# KiCad board Lime_RFE.kicad_pcb (continued)
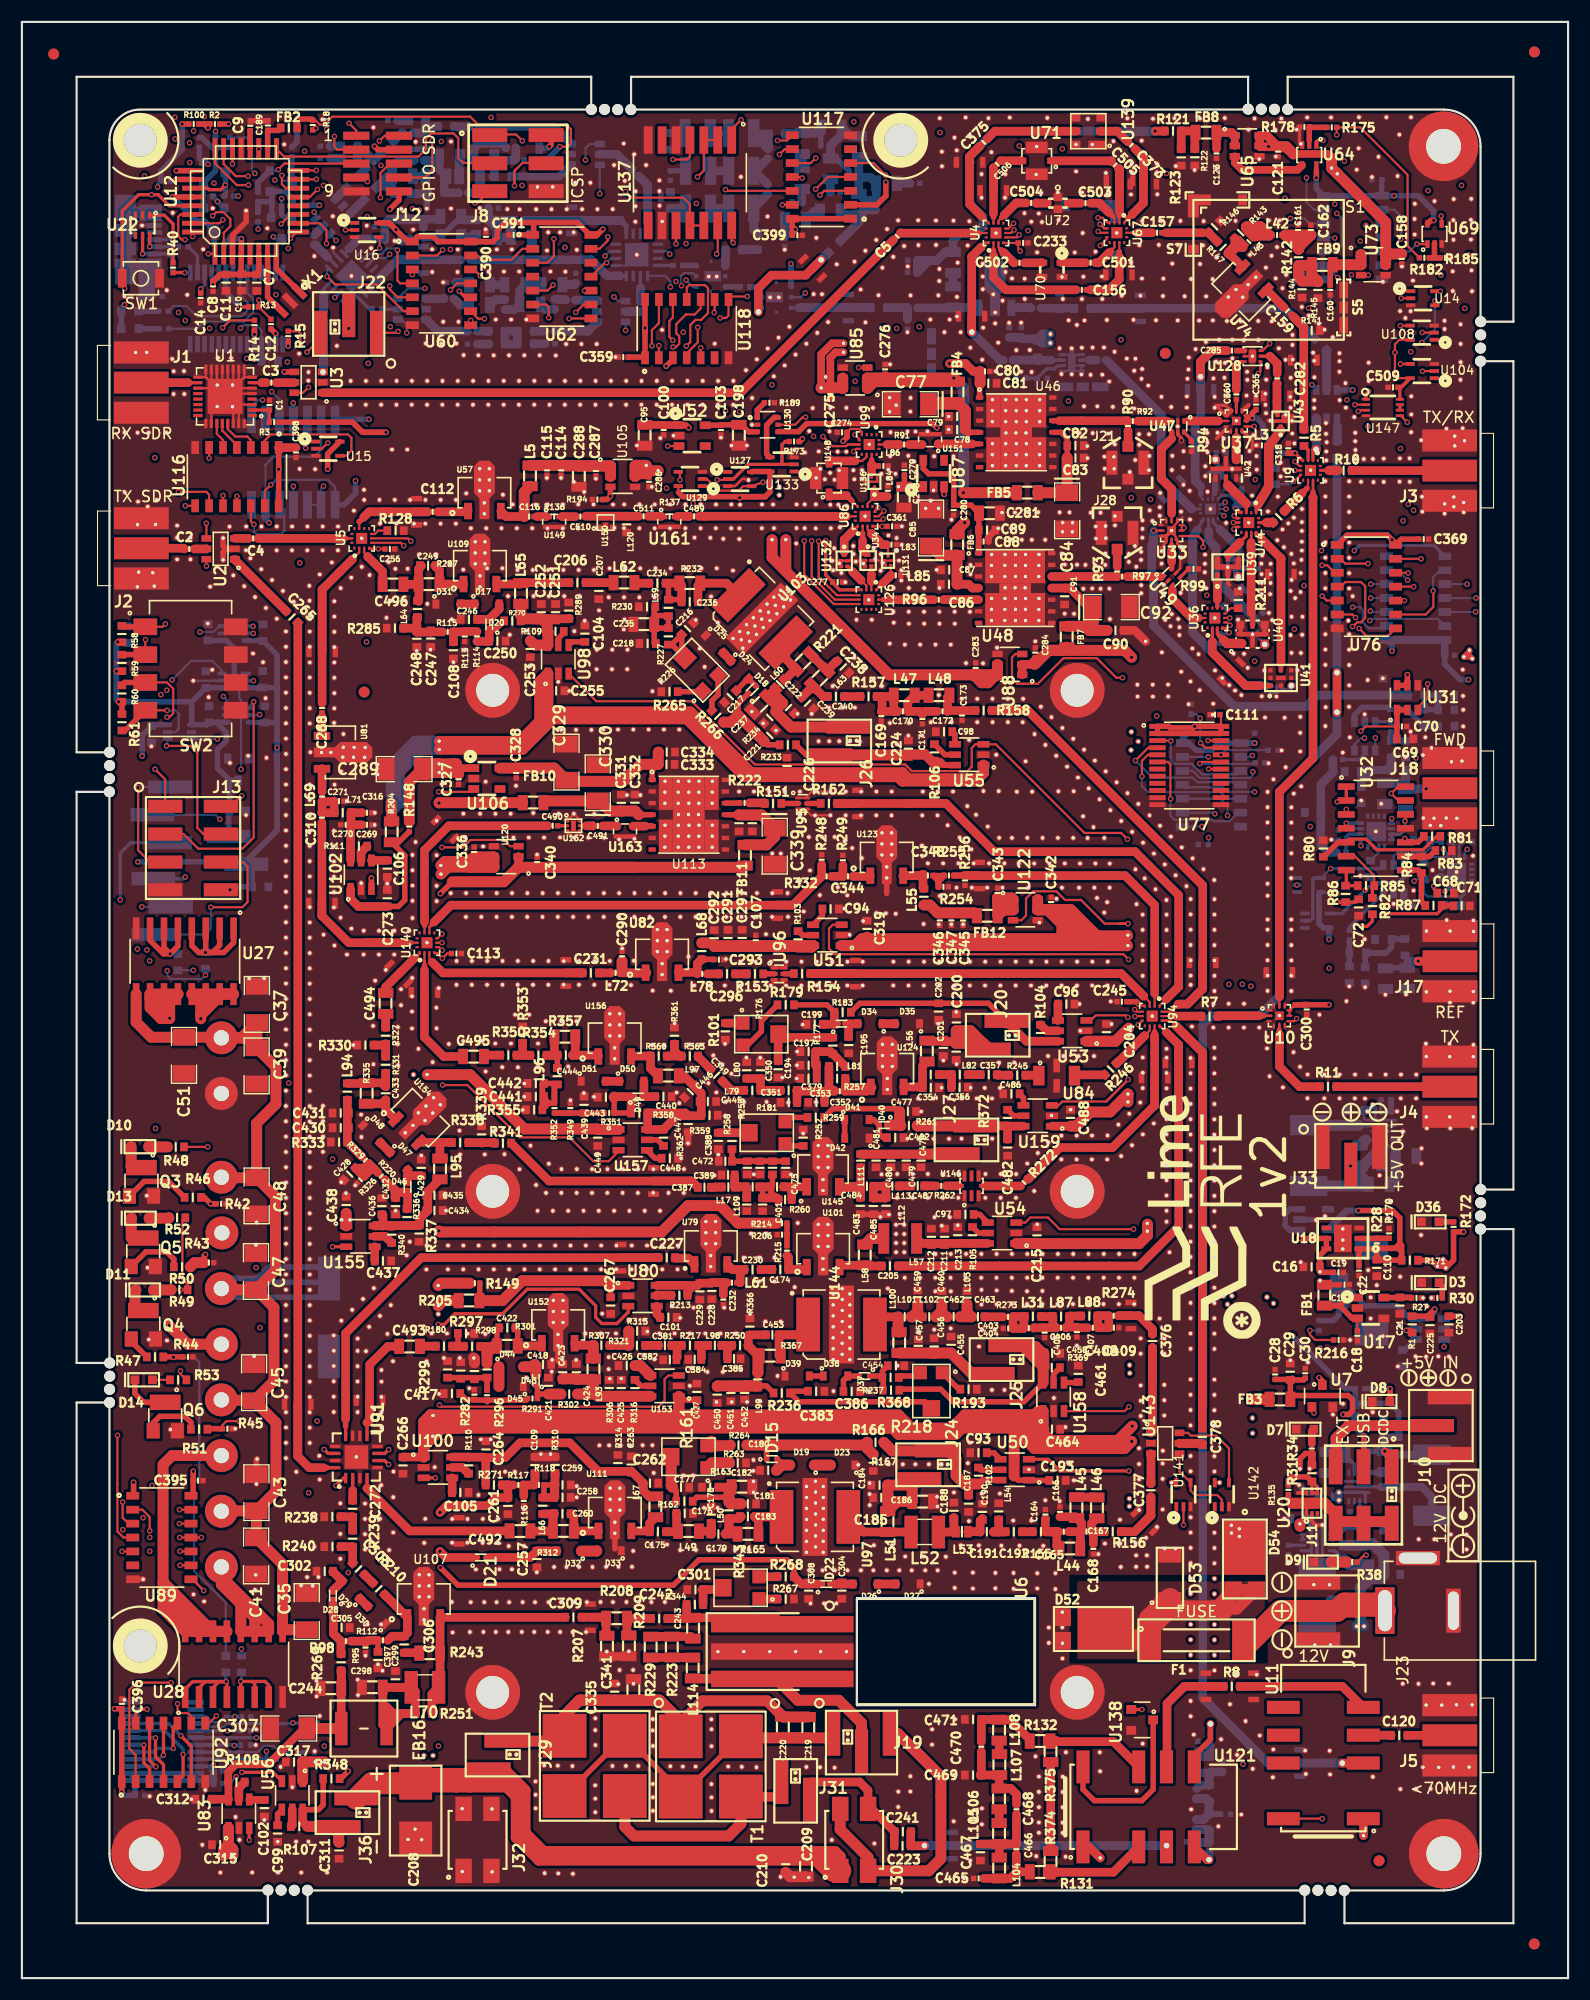
[diagram p0: board, top side]
## Placement (name value [footprint] x y rotation side) (continued)
GND_VIA#2634  VAL**  [GND_VIA]  91.25 131.25 0 top
GND_VIA#2635  VAL**  [GND_VIA]  92.16 131.25 0 top
GND_VIA#2636  VAL**  [GND_VIA]  93.38 131.25 0 top
GND_VIA#2637  VAL**  [GND_VIA]  90.28 131.25 0 top
GND_VIA#2638  VAL**  [GND_VIA]  87.71 119.98 0 top
GND_VIA#2639  VAL**  [GND_VIA]  110.46 149.5 0 top
GND_VIA#2640  VAL**  [GND_VIA]  108.05 149.32 0 top
GND_VIA#2641  VAL**  [GND_VIA]  112.83 149.49 0 top
GND_VIA#2642  VAL**  [GND_VIA]  112.81 151.22 180 top
GND_VIA#2643  VAL**  [GND_VIA]  111.23 151.2 180 top
GND_VIA#2644  VAL**  [GND_VIA]  108.68 151.27 180 top
GND_VIA#2645  VAL**  [GND_VIA]  109.97 151.22 180 top
GND_VIA#2646  VAL**  [GND_VIA]  115.95 149.95 180 top
GND_VIA#2647  VAL**  [GND_VIA]  118.35 150.96 180 top
GND_VIA#2648  VAL**  [GND_VIA]  118.87 150.43 180 top
GND_VIA#2649  VAL**  [GND_VIA]  119.62 149.74 180 top
GND_VIA#2650  VAL**  [GND_VIA]  120.24 148.28 180 top
GND_VIA#2651  VAL**  [GND_VIA]  120.24 147.55 180 top
GND_VIA#2652  VAL**  [GND_VIA]  120.23 146.59 180 top
GND_VIA#2653  VAL**  [GND_VIA]  120.78 145.55 180 top
GND_VIA#2654  VAL**  [GND_VIA]  120.25 144 180 top
GND_VIA#2655  VAL**  [GND_VIA]  117.92 143.27 180 top
GND_VIA#2656  VAL**  [GND_VIA]  117.93 143.99 180 top
GND_VIA#2657  VAL**  [GND_VIA]  119 140.92 180 top
GND_VIA#2658  VAL**  [GND_VIA]  117.83 148.32 180 top
GND_VIA#2659  VAL**  [GND_VIA]  108.73 145.98 0 top
GND_VIA#2660  VAL**  [GND_VIA]  110.46 147.81 0 top
GND_VIA#2661  VAL**  [GND_VIA]  108.99 147.49 0 top
GND_VIA#2662  VAL**  [GND_VIA]  109.78 147.4 0 top
GND_VIA#2663  VAL**  [GND_VIA]  106.49 147.89 0 top
GND_VIA#2664  VAL**  [GND_VIA]  106.45 146.8 0 top
GND_VIA#2665  VAL**  [GND_VIA]  115.31 147.68 180 top
GND_VIA#2666  VAL**  [GND_VIA]  111.81 146.58 0 top
GND_VIA#2667  VAL**  [GND_VIA]  109.97 144.36 0 top
GND_VIA#2668  VAL**  [GND_VIA]  109.67 140.5 0 top
GND_VIA#2669  VAL**  [GND_VIA]  104.01 130.22 90 top
GND_VIA#2670  VAL**  [GND_VIA]  102.22 146.84 0 top
GND_VIA#2671  VAL**  [GND_VIA]  101.5 146.68 0 top
GND_VIA#2672  VAL**  [GND_VIA]  100.83 147.79 0 top
GND_VIA#2673  VAL**  [GND_VIA]  101.62 147.78 0 top
GND_VIA#2674  VAL**  [GND_VIA]  99.23 145.69 0 top
GND_VIA#2675  VAL**  [GND_VIA]  99.74 139.96 0 top
GND_VIA#2676  VAL**  [GND_VIA]  101.6 138.54 0 top
GND_VIA#2677  VAL**  [GND_VIA]  101.1 137.44 0 top
GND_VIA#2678  VAL**  [GND_VIA]  101.94 140.89 0 top
GND_VIA#2679  VAL**  [GND_VIA]  101.96 139.92 0 top
GND_VIA#2680  VAL**  [GND_VIA]  72.48 136.9 180 top
GND_VIA#2681  VAL**  [GND_VIA]  73.28 136.78 180 top
GND_VIA#2682  VAL**  [GND_VIA]  71.36 136.82 180 top
GND_VIA#2683  VAL**  [GND_VIA]  71.42 137.61 180 top
GND_VIA#2684  VAL**  [GND_VIA]  71.45 139.21 180 top
GND_VIA#2685  VAL**  [GND_VIA]  74.57 137.58 180 top
GND_VIA#2686  VAL**  [GND_VIA]  75.88 137.6 180 top
GND_VIA#2687  VAL**  [GND_VIA]  116.8 132.06 180 top
GND_VIA#2688  VAL**  [GND_VIA]  109.89 132.79 180 top
GND_VIA#2689  VAL**  [GND_VIA]  86.55 148.78 180 top
GND_VIA#2690  VAL**  [GND_VIA]  96.27 150.86 180 top
GND_VIA#2691  VAL**  [GND_VIA]  85.67 150.2 180 top
GND_VIA#2692  VAL**  [GND_VIA]  84.18 150.2 180 top
GND_VIA#2693  VAL**  [GND_VIA]  81.1 144.2 0 top
GND_VIA#2694  VAL**  [GND_VIA]  81.08 142.95 0 top
GND_VIA#2695  VAL**  [GND_VIA]  79.27 141.07 0 top
GND_VIA#2696  VAL**  [GND_VIA]  79.24 138.89 180 top
GND_VIA#2697  VAL**  [GND_VIA]  83.24 138.87 180 top
GND_VIA#2698  VAL**  [GND_VIA]  74.44 139.29 180 top
GND_VIA#2699  VAL**  [GND_VIA]  75.24 139.29 180 top
GND_VIA#2700  VAL**  [GND_VIA]  72.72 139.31 180 top
GND_VIA#2701  VAL**  [GND_VIA]  53.94 134.47 90 top
GND_VIA#2702  VAL**  [GND_VIA]  43.9 135.37 90 top
GND_VIA#2703  VAL**  [GND_VIA]  40.54 135.49 90 top
GND_VIA#2704  VAL**  [GND_VIA]  18.95 132.45 90 top
GND_VIA#2705  VAL**  [GND_VIA]  12.2 132.65 90 top
GND_VIA#2706  VAL**  [GND_VIA]  10.55 132.63 90 top
GND_VIA#2707  VAL**  [GND_VIA]  11.94 128.25 90 top
GND_VIA#2708  VAL**  [GND_VIA]  10.65 128.31 90 top
GND_VIA#2709  VAL**  [GND_VIA]  17.18 126.97 90 top
GND_VIA#2710  VAL**  [GND_VIA]  89.09 149.24 180 top
GND_VIA#2711  VAL**  [GND_VIA]  90.75 148.56 180 top
GND_VIA#2712  VAL**  [GND_VIA]  91.98 148.57 180 top
GND_VIA#2713  VAL**  [GND_VIA]  94.86 146.38 0 top
GND_VIA#2714  VAL**  [GND_VIA]  96.69 146.34 0 top
GND_VIA#2715  VAL**  [GND_VIA]  95.8 146.36 0 top
GND_VIA#2716  VAL**  [GND_VIA]  91.18 146.59 0 top
GND_VIA#2717  VAL**  [GND_VIA]  92.14 146.56 0 top
GND_VIA#2718  VAL**  [GND_VIA]  94.69 148.73 0 top
GND_VIA#2719  VAL**  [GND_VIA]  88.87 146.63 0 top
GND_VIA#2720  VAL**  [GND_VIA]  87.63 147.68 180 top
GND_VIA#2721  VAL**  [GND_VIA]  87.72 150.61 180 top
GND_VIA#2722  VAL**  [GND_VIA]  85.33 151.64 180 top
GND_VIA#2723  VAL**  [GND_VIA]  88.81 151 0 top
GND_VIA#2724  VAL**  [GND_VIA]  79.79 143.53 0 top
GND_VIA#2725  VAL**  [GND_VIA]  75.23 143.29 180 top
GND_VIA#2726  VAL**  [GND_VIA]  108.2 135.64 0 top
GND_VIA#2727  VAL**  [GND_VIA]  107.99 137.06 0 top
GND_VIA#2728  VAL**  [GND_VIA]  108.19 139.24 0 top
GND_VIA#2729  VAL**  [GND_VIA]  108.17 141.01 0 top
GND_VIA#2730  VAL**  [GND_VIA]  107.99 137.96 0 top
GND_VIA#2731  VAL**  [GND_VIA]  112.37 140.78 180 top
GND_VIA#2732  VAL**  [GND_VIA]  112.63 139.88 180 top
GND_VIA#2733  VAL**  [GND_VIA]  110.98 123.96 180 top
GND_VIA#2734  VAL**  [GND_VIA]  102.79 145.32 0 top
GND_VIA#2735  VAL**  [GND_VIA]  98.8 137.74 0 top
GND_VIA#2736  VAL**  [GND_VIA]  98.78 138.84 0 top
GND_VIA#2737  VAL**  [GND_VIA]  46.66 106.32 90 top
GND_VIA#2738  VAL**  [GND_VIA]  52.23 106.23 90 top
GND_VIA#2739  VAL**  [GND_VIA]  74.17 104.13 90 top
GND_VIA#2740  VAL**  [GND_VIA]  75.06 103.74 90 top
GND_VIA#2741  VAL**  [GND_VIA]  77.97 97.18 90 top
GND_VIA#2742  VAL**  [GND_VIA]  78.84 97.17 90 top
GND_VIA#2743  VAL**  [GND_VIA]  79.74 97.12 90 top
GND_VIA#2744  VAL**  [GND_VIA]  75.32 98.81 90 top
GND_VIA#2745  VAL**  [GND_VIA]  76.65 102.2 90 top
GND_VIA#2746  VAL**  [GND_VIA]  82.13 103.35 90 top
GND_VIA#2747  VAL**  [GND_VIA]  82.18 102.39 90 top
GND_VIA#2748  VAL**  [GND_VIA]  71.81 104.12 90 top
GND_VIA#2749  VAL**  [GND_VIA]  60.83 93.21 90 top
GND_VIA#2750  VAL**  [GND_VIA]  64.24 92.99 90 top
GND_VIA#2751  VAL**  [GND_VIA]  61.86 121.33 90 top
GND_VIA#2752  VAL**  [GND_VIA]  62.3 119.65 90 top
GND_VIA#2753  VAL**  [GND_VIA]  83.72 155.97 0 top
GND_VIA#2754  VAL**  [GND_VIA]  85.39 156.54 0 top
GND_VIA#2755  VAL**  [GND_VIA]  83.71 154.87 0 top
GND_VIA#2756  VAL**  [GND_VIA]  92.12 160.27 0 top
GND_VIA#2757  VAL**  [GND_VIA]  93.09 160.25 0 top
GND_VIA#2758  VAL**  [GND_VIA]  130.67 134.27 180 top
GND_VIA#2759  VAL**  [GND_VIA]  130.67 135.16 180 top
GND_VIA#2760  VAL**  [GND_VIA]  129.83 134.53 180 top
GND_VIA#2761  VAL**  [GND_VIA]  129.83 133.64 180 top
GND_VIA#2762  VAL**  [GND_VIA]  130.75 140.71 180 top
GND_VIA#2763  VAL**  [GND_VIA]  130.75 139.82 180 top
GND_VIA#2764  VAL**  [GND_VIA]  116.53 160.1 180 top
GND_VIA#2765  VAL**  [GND_VIA]  114.76 160.4 180 top
GND_VIA#2766  VAL**  [GND_VIA]  110.75 160.36 180 top
GND_VIA#2767  VAL**  [GND_VIA]  113.8 160.39 180 top
GND_VIA#2768  VAL**  [GND_VIA]  115.03 154.21 180 top
GND_VIA#2769  VAL**  [GND_VIA]  113.66 146.99 180 top
GND_VIA#2770  VAL**  [GND_VIA]  91.83 133.77 90 top
GND_VIA#2771  VAL**  [GND_VIA]  92.74 133.77 90 top
GND_VIA#2772  VAL**  [GND_VIA]  98.44 133.72 90 top
GND_VIA#2773  VAL**  [GND_VIA]  97.53 133.72 90 top
GND_VIA#2774  VAL**  [GND_VIA]  94.7 133.75 90 top
GND_VIA#2775  VAL**  [GND_VIA]  95.6 133.75 90 top
GND_VIA#2776  VAL**  [GND_VIA]  114.03 157.17 180 top
GND_VIA#2777  VAL**  [GND_VIA]  112.82 157.97 180 top
GND_VIA#2778  VAL**  [GND_VIA]  114.54 157.97 180 top
GND_VIA#2779  VAL**  [GND_VIA]  115.37 155.43 180 top
GND_VIA#2780  VAL**  [GND_VIA]  114.42 155.11 180 top
GND_VIA#2781  VAL**  [GND_VIA]  113.52 156.09 180 top
GND_VIA#2782  VAL**  [GND_VIA]  106.7 155.05 180 top
GND_VIA#2783  VAL**  [GND_VIA]  108.66 155.04 180 top
GND_VIA#2784  VAL**  [GND_VIA]  104.16 155.08 180 top
GND_VIA#2785  VAL**  [GND_VIA]  102.21 155.09 180 top
GND_VIA#2786  VAL**  [GND_VIA]  104.97 156.45 180 top
GND_VIA#2787  VAL**  [GND_VIA]  107.51 156.42 180 top
GND_VIA#2788  VAL**  [GND_VIA]  101.21 156.58 180 top
GND_VIA#2789  VAL**  [GND_VIA]  124.2 154.8 180 top
GND_VIA#2790  VAL**  [GND_VIA]  125.74 154.45 180 top
GND_VIA#2791  VAL**  [GND_VIA]  126.94 154.9 180 top
GND_VIA#2792  VAL**  [GND_VIA]  126.73 152.12 180 top
GND_VIA#2793  VAL**  [GND_VIA]  125.77 152.12 180 top
GND_VIA#2794  VAL**  [GND_VIA]  126.25 151.49 180 top
GND_VIA#2795  VAL**  [GND_VIA]  129.82 151.24 180 top
GND_VIA#2796  VAL**  [GND_VIA]  129.83 150.48 180 top
GND_VIA#2797  VAL**  [GND_VIA]  132.23 160.44 180 top
GND_VIA#2798  VAL**  [GND_VIA]  132.24 158.65 180 top
GND_VIA#2799  VAL**  [GND_VIA]  132.29 155.84 180 top
GND_VIA#2800  VAL**  [GND_VIA]  132.33 153.94 180 top
GND_VIA#2801  VAL**  [GND_VIA]  130.64 158.63 180 top
GND_VIA#2802  VAL**  [GND_VIA]  130.63 160.43 180 top
GND_VIA#2803  VAL**  [GND_VIA]  130.57 155.75 180 top
GND_VIA#2804  VAL**  [GND_VIA]  130.58 153.95 180 top
GND_VIA#2805  VAL**  [GND_VIA]  130.66 162.35 180 top
GND_VIA#2806  VAL**  [GND_VIA]  132.26 162.36 180 top
GND_VIA#2807  VAL**  [GND_VIA]  128.91 162.16 180 top
GND_VIA#2808  VAL**  [GND_VIA]  127.11 161.91 180 top
GND_VIA#2809  VAL**  [GND_VIA]  127.1 159.11 180 top
GND_VIA#2810  VAL**  [GND_VIA]  127.09 160.53 180 top
GND_VIA#2811  VAL**  [GND_VIA]  126.76 169.81 180 top
GND_VIA#2812  VAL**  [GND_VIA]  125.7 168.22 180 top
GND_VIA#2813  VAL**  [GND_VIA]  112.49 169.7 0 top
GND_VIA#2814  VAL**  [GND_VIA]  114.93 169.69 0 top
GND_VIA#2815  VAL**  [GND_VIA]  114.38 168.67 0 top
GND_VIA#2816  VAL**  [GND_VIA]  111.94 168.68 0 top
GND_VIA#2817  VAL**  [GND_VIA]  116.34 168.69 0 top
GND_VIA#2818  VAL**  [GND_VIA]  116.72 167.39 0 top
GND_VIA#2819  VAL**  [GND_VIA]  112.91 166 0 top
GND_VIA#2820  VAL**  [GND_VIA]  114.43 166.23 0 top
GND_VIA#2821  VAL**  [GND_VIA]  97.68 167.33 0 top
GND_VIA#2822  VAL**  [GND_VIA]  96.19 167.33 0 top
GND_VIA#2823  VAL**  [GND_VIA]  63.5 123.7 90 top
GND_VIA#2824  VAL**  [GND_VIA]  90.79 108.26 90 top
GND_VIA#2825  VAL**  [GND_VIA]  92.19 108.26 90 top
GND_VIA#2826  VAL**  [GND_VIA]  89.14 108.32 90 top
GND_VIA#2827  VAL**  [GND_VIA]  87.74 108.32 90 top
GND_VIA#2828  VAL**  [GND_VIA]  95.98 108.31 90 top
GND_VIA#2829  VAL**  [GND_VIA]  94.58 108.31 90 top
GND_VIA#2830  VAL**  [GND_VIA]  103.21 116.95 90 top
GND_VIA#2831  VAL**  [GND_VIA]  104.6 116.95 90 top
GND_VIA#2832  VAL**  [GND_VIA]  101.81 116.95 90 top
GND_VIA#2833  VAL**  [GND_VIA]  101.8 118.03 90 top
GND_VIA#2834  VAL**  [GND_VIA]  104.59 118.03 90 top
GND_VIA#2835  VAL**  [GND_VIA]  103.19 118.03 90 top
GND_VIA#2836  VAL**  [GND_VIA]  28.49 114.54 180 top
GND_VIA#2837  VAL**  [GND_VIA]  29.34 113.52 180 top
GND_VIA#2838  VAL**  [GND_VIA]  29.13 110.11 180 top
GND_VIA#2839  VAL**  [GND_VIA]  77.66 143.29 180 top
GND_VIA#2840  VAL**  [GND_VIA]  72.16 143.27 180 top
GND_VIA#2841  VAL**  [GND_VIA]  71.85 141.17 180 top
GND_VIA#2842  VAL**  [GND_VIA]  82.64 141.14 0 top
GND_VIA#2843  VAL**  [GND_VIA]  80.82 141.13 0 top
GND_VIA#2844  VAL**  [GND_VIA]  96.73 148.78 0 top
GND_VIA#2845  VAL**  [GND_VIA]  92.85 96.33 90 top
GND_VIA#2846  VAL**  [GND_VIA]  109.18 13.84 0 bottom
GND_VIA#2847  VAL**  [GND_VIA]  111.27 14.92 0 bottom
GND_VIA#2848  VAL**  [GND_VIA]  109.43 21.79 0 bottom
GND_VIA#2849  VAL**  [GND_VIA]  106.94 22.22 0 bottom
GND_VIA#2850  VAL**  [GND_VIA]  42.66 137.74 0 bottom
GND_VIA#2851  VAL**  [GND_VIA]  41.77 137.74 0 bottom
GND_VIA#2852  VAL**  [GND_VIA]  41.77 136.72 0 bottom
GND_VIA#2853  VAL**  [GND_VIA]  41.77 135.72 0 bottom
GND_VIA#2854  VAL**  [GND_VIA]  42.2 133.62 0 bottom
GND_VIA#2855  VAL**  [GND_VIA]  42.2 134.62 0 bottom
GND_VIA#2856  VAL**  [GND_VIA]  42.66 135.72 0 bottom
GND_VIA#2857  VAL**  [GND_VIA]  42.66 136.72 0 bottom
GND_VIA#2858  VAL**  [GND_VIA]  42.25 130.05 0 bottom
GND_VIA#2859  VAL**  [GND_VIA]  42.25 129.05 0 bottom
GND_VIA#2860  VAL**  [GND_VIA]  41.8 127.96 0 bottom
GND_VIA#2861  VAL**  [GND_VIA]  41.8 126.96 0 bottom
GND_VIA#2862  VAL**  [GND_VIA]  41.37 129.05 0 bottom
GND_VIA#2863  VAL**  [GND_VIA]  41.37 130.05 0 bottom
GND_VIA#2864  VAL**  [GND_VIA]  41.37 131.07 0 bottom
GND_VIA#2865  VAL**  [GND_VIA]  42.25 131.07 0 bottom
GND_VIA#2866  VAL**  [GND_VIA]  79.37 104.51 0 bottom
GND_VIA#2867  VAL**  [GND_VIA]  78.48 104.51 0 bottom
GND_VIA#2868  VAL**  [GND_VIA]  78.48 103.49 0 bottom
GND_VIA#2869  VAL**  [GND_VIA]  78.48 102.49 0 bottom
GND_VIA#2870  VAL**  [GND_VIA]  78.92 100.4 0 bottom
GND_VIA#2871  VAL**  [GND_VIA]  78.92 101.4 0 bottom
GND_VIA#2872  VAL**  [GND_VIA]  79.37 102.49 0 bottom
GND_VIA#2873  VAL**  [GND_VIA]  79.37 103.49 0 bottom
GND_VIA#2874  VAL**  [GND_VIA]  58.87 94.67 0 bottom
GND_VIA#2875  VAL**  [GND_VIA]  58.87 93.67 0 bottom
GND_VIA#2876  VAL**  [GND_VIA]  58.42 92.57 0 bottom
GND_VIA#2877  VAL**  [GND_VIA]  58.42 91.57 0 bottom
GND_VIA#2878  VAL**  [GND_VIA]  57.99 93.67 0 bottom
GND_VIA#2879  VAL**  [GND_VIA]  57.99 94.67 0 bottom
GND_VIA#2880  VAL**  [GND_VIA]  57.99 95.68 0 bottom
GND_VIA#2881  VAL**  [GND_VIA]  58.87 95.68 0 bottom
GND_VIA#2882  VAL**  [GND_VIA]  79.43 85.21 0 bottom
GND_VIA#2883  VAL**  [GND_VIA]  78.54 85.21 0 bottom
GND_VIA#2884  VAL**  [GND_VIA]  78.54 84.19 0 bottom
GND_VIA#2885  VAL**  [GND_VIA]  78.54 83.19 0 bottom
GND_VIA#2886  VAL**  [GND_VIA]  78.97 81.09 0 bottom
GND_VIA#2887  VAL**  [GND_VIA]  78.97 82.09 0 bottom
GND_VIA#2888  VAL**  [GND_VIA]  79.43 83.19 0 bottom
GND_VIA#2889  VAL**  [GND_VIA]  79.43 84.19 0 bottom
GND_VIA#2890  VAL**  [GND_VIA]  54.55 86.98 0 bottom
GND_VIA#2891  VAL**  [GND_VIA]  54.55 85.98 0 bottom
GND_VIA#2892  VAL**  [GND_VIA]  54.09 84.89 0 bottom
GND_VIA#2893  VAL**  [GND_VIA]  54.09 83.89 0 bottom
GND_VIA#2894  VAL**  [GND_VIA]  53.66 85.98 0 bottom
GND_VIA#2895  VAL**  [GND_VIA]  53.66 86.98 0 bottom
GND_VIA#2896  VAL**  [GND_VIA]  53.66 88 0 bottom
GND_VIA#2897  VAL**  [GND_VIA]  54.55 88 0 bottom
GND_VIA#2898  VAL**  [GND_VIA]  73.56 75.98 0 bottom
GND_VIA#2899  VAL**  [GND_VIA]  72.67 75.98 0 bottom
GND_VIA#2900  VAL**  [GND_VIA]  72.67 74.97 0 bottom
GND_VIA#2901  VAL**  [GND_VIA]  72.67 73.97 0 bottom
GND_VIA#2902  VAL**  [GND_VIA]  73.1 71.87 0 bottom
GND_VIA#2903  VAL**  [GND_VIA]  73.1 72.87 0 bottom
GND_VIA#2904  VAL**  [GND_VIA]  73.56 73.97 0 bottom
GND_VIA#2905  VAL**  [GND_VIA]  73.56 74.97 0 bottom
GND_VIA#2906  VAL**  [GND_VIA]  73.56 67.76 0 bottom
GND_VIA#2907  VAL**  [GND_VIA]  73.56 66.76 0 bottom
GND_VIA#2908  VAL**  [GND_VIA]  73.1 65.67 0 bottom
GND_VIA#2909  VAL**  [GND_VIA]  73.1 64.67 0 bottom
GND_VIA#2910  VAL**  [GND_VIA]  72.67 66.76 0 bottom
GND_VIA#2911  VAL**  [GND_VIA]  72.67 67.76 0 bottom
GND_VIA#2912  VAL**  [GND_VIA]  72.67 68.78 0 bottom
GND_VIA#2913  VAL**  [GND_VIA]  73.56 68.78 0 bottom
GND_VIA#2914  VAL**  [GND_VIA]  63.31 69.04 0 bottom
GND_VIA#2915  VAL**  [GND_VIA]  62.42 69.04 0 bottom
GND_VIA#2916  VAL**  [GND_VIA]  62.42 68.02 0 bottom
GND_VIA#2917  VAL**  [GND_VIA]  62.42 67.02 0 bottom
GND_VIA#2918  VAL**  [GND_VIA]  62.85 64.93 0 bottom
GND_VIA#2919  VAL**  [GND_VIA]  62.85 65.93 0 bottom
GND_VIA#2920  VAL**  [GND_VIA]  63.31 67.02 0 bottom
GND_VIA#2921  VAL**  [GND_VIA]  63.31 68.02 0 bottom
GND_VIA#2922  VAL**  [GND_VIA]  49.38 60.83 0 bottom
GND_VIA#2923  VAL**  [GND_VIA]  49.38 59.83 0 bottom
GND_VIA#2924  VAL**  [GND_VIA]  48.92 58.73 0 bottom
GND_VIA#2925  VAL**  [GND_VIA]  48.92 57.73 0 bottom
GND_VIA#2926  VAL**  [GND_VIA]  48.49 59.83 0 bottom
GND_VIA#2927  VAL**  [GND_VIA]  48.49 60.83 0 bottom
GND_VIA#2928  VAL**  [GND_VIA]  48.49 61.85 0 bottom
GND_VIA#2929  VAL**  [GND_VIA]  49.38 61.85 0 bottom
GND_VIA#2930  VAL**  [GND_VIA]  54.57 44.71 0 bottom
GND_VIA#2931  VAL**  [GND_VIA]  53.68 44.71 0 bottom
GND_VIA#2932  VAL**  [GND_VIA]  53.68 43.69 0 bottom
GND_VIA#2933  VAL**  [GND_VIA]  53.68 42.69 0 bottom
GND_VIA#2934  VAL**  [GND_VIA]  54.11 40.6 0 bottom
GND_VIA#2935  VAL**  [GND_VIA]  54.11 41.6 0 bottom
GND_VIA#2936  VAL**  [GND_VIA]  54.57 42.69 0 bottom
GND_VIA#2937  VAL**  [GND_VIA]  54.57 43.69 0 bottom
GND_VIA#2938  VAL**  [GND_VIA]  111.41 153.39 0 bottom
GND_VIA#2939  VAL**  [GND_VIA]  112.6 155.21 0 bottom
GND_VIA#2940  VAL**  [GND_VIA]  111.89 154.53 0 bottom
GND_VIA#2941  VAL**  [GND_VIA]  110.09 153.41 0 bottom
GND_VIA#2942  VAL**  [GND_VIA]  110.79 154.09 0 bottom
GND_VIA#2943  VAL**  [GND_VIA]  26.15 146.55 0 bottom
GND_VIA#2944  VAL**  [GND_VIA]  26.14 145.78 0 bottom
GND_VIA#2945  VAL**  [GND_VIA]  106.7 15.39 0 bottom
GND_VIA#2946  VAL**  [GND_VIA]  110.89 20.37 0 bottom
GND_VIA#2947  VAL**  [GND_VIA]  37.15 35.79 0 bottom
GND_VIA#2948  VAL**  [GND_VIA]  37.15 34.79 0 bottom
GND_VIA#2949  VAL**  [GND_VIA]  36.69 33.7 0 bottom
GND_VIA#2950  VAL**  [GND_VIA]  36.69 32.7 0 bottom
GND_VIA#2951  VAL**  [GND_VIA]  36.26 34.79 0 bottom
GND_VIA#2952  VAL**  [GND_VIA]  36.26 35.79 0 bottom
GND_VIA#2953  VAL**  [GND_VIA]  36.26 36.81 0 bottom
GND_VIA#2954  VAL**  [GND_VIA]  37.15 36.81 0 bottom
GND_VIA#2955  VAL**  [GND_VIA]  36.79 78.26 180 bottom
GND_VIA#2956  VAL**  [GND_VIA]  37.49 78.94 180 bottom
GND_VIA#2957  VAL**  [GND_VIA]  35.69 77.81 180 bottom
GND_VIA#2958  VAL**  [GND_VIA]  34.98 77.13 180 bottom
GND_VIA#2959  VAL**  [GND_VIA]  36.17 78.96 180 bottom
GND_VIA#2960  VAL**  [GND_VIA]  38.19 79.7 180 bottom
GND_VIA#2961  VAL**  [GND_VIA]  37.57 80.34 180 bottom
GND_VIA#2962  VAL**  [GND_VIA]  36.87 79.58 180 bottom
GND_VIA#2963  VAL**  [GND_VIA]  20.46 161.28 0 bottom
GND_VIA#2964  VAL**  [GND_VIA]  57.52 85.12 0 bottom
GND_VIA#2965  VAL**  [GND_VIA]  58.55 85.09 0 bottom
GND_VIA#2966  VAL**  [GND_VIA]  61.93 85.17 0 bottom
GND_VIA#2967  VAL**  [GND_VIA]  60.9 85.2 0 bottom
GND_VIA#2968  VAL**  [GND_VIA]  63.08 84.2 0 bottom
GND_VIA#2969  VAL**  [GND_VIA]  63.91 83.38 0 bottom
GND_VIA#2970  VAL**  [GND_VIA]  64.75 82.53 0 bottom
GND_VIA#2971  VAL**  [GND_VIA]  67.37 83.99 0 bottom
GND_VIA#2972  VAL**  [GND_VIA]  65.89 79.94 0 bottom
GND_VIA#2973  VAL**  [GND_VIA]  67.96 79.95 0 bottom
GND_VIA#2974  VAL**  [GND_VIA]  49.85 83.19 0 bottom
GND_VIA#2975  VAL**  [GND_VIA]  43.83 83.13 0 bottom
GND_VIA#2976  VAL**  [GND_VIA]  45.26 83.11 0 bottom
GND_VIA#2977  VAL**  [GND_VIA]  47.07 83.14 0 bottom
GND_VIA#2978  VAL**  [GND_VIA]  42.32 82.73 0 bottom
GND_VIA#2979  VAL**  [GND_VIA]  112.07 157.26 0 bottom
GND_VIA#2980  VAL**  [GND_VIA]  17.42 161.5 0 bottom
GND_VIA#2981  VAL**  [GND_VIA]  13.76 161.09 0 bottom
GND_VIA#2982  VAL**  [GND_VIA]  22.4 159.68 0 bottom
GND_VIA#2983  VAL**  [GND_VIA]  16.54 157.76 0 bottom
GND_VIA#2984  VAL**  [GND_VIA]  15.09 153.6 0 bottom
GND_VIA#2985  VAL**  [GND_VIA]  54.63 48.61 0 bottom
GND_VIA#2986  VAL**  [GND_VIA]  55.52 48.61 0 bottom
GND_VIA#2987  VAL**  [GND_VIA]  48.24 47.81 0 bottom
GND_VIA#2988  VAL**  [GND_VIA]  47.36 47.81 0 bottom
GND_VIA#2989  VAL**  [GND_VIA]  50.63 43.88 0 bottom
GND_VIA#2990  VAL**  [GND_VIA]  50.63 44.89 0 bottom
GND_VIA#2991  VAL**  [GND_VIA]  61.25 45.87 0 bottom
GND_VIA#2992  VAL**  [GND_VIA]  60.36 45.87 0 bottom
GND_VIA#2993  VAL**  [GND_VIA]  57.65 46.1 0 bottom
GND_VIA#2994  VAL**  [GND_VIA]  71.29 77.09 0 bottom
GND_VIA#2995  VAL**  [GND_VIA]  53.59 48.61 0 bottom
GND_VIA#2996  VAL**  [GND_VIA]  52.7 48.61 0 bottom
GND_VIA#2997  VAL**  [GND_VIA]  56.64 48.63 0 bottom
GND_VIA#2998  VAL**  [GND_VIA]  57.53 48.63 0 bottom
GND_VIA#2999  VAL**  [GND_VIA]  44.09 46.21 0 bottom
GND_VIA#3000  VAL**  [GND_VIA]  44.98 46.21 0 bottom
GND_VIA#3001  VAL**  [GND_VIA]  42.78 49.16 0 bottom
GND_VIA#3002  VAL**  [GND_VIA]  41.89 49.16 0 bottom
GND_VIA#3003  VAL**  [GND_VIA]  64.17 85.26 0 bottom
GND_VIA#3004  VAL**  [GND_VIA]  66.11 83.99 0 bottom
GND_VIA#3005  VAL**  [GND_VIA]  45.86 81.63 0 bottom
GND_VIA#3006  VAL**  [GND_VIA]  45.85 80.44 0 bottom
GND_VIA#3007  VAL**  [GND_VIA]  45.71 79.22 0 bottom
GND_VIA#3008  VAL**  [GND_VIA]  50.06 80.1 0 bottom
GND_VIA#3009  VAL**  [GND_VIA]  52.21 80.42 0 bottom
GND_VIA#3010  VAL**  [GND_VIA]  51.28 80.76 0 bottom
GND_VIA#3011  VAL**  [GND_VIA]  59.55 87.12 0 bottom
GND_VIA#3012  VAL**  [GND_VIA]  30.95 78.79 180 bottom
GND_VIA#3013  VAL**  [GND_VIA]  30.98 76.75 180 bottom
H1  -  [HEAT_SINK_558-75AB]  69.63 71.79 0 bottom
IC1  -  [ADL5513]  123.58 104.64 0 bottom
IC2  -  [ADL5513]  130.91 100.91 270 bottom
J1  SMA_H_v3  [SMA_v2]  10.89 145.59 180 top
J2  SMA_H_v3  [SMA_v2]  10.9 130.47 180 top
J3  SMA_H_v3  [SMA_v2]  130.29 137.57 0 top
J4  SMA_H_v3  [SMA_v2]  130.3 81.34 0 top
J5  SMA_H_v3  [SMA_v2]  130.3 22.15 0 top
J6  -  [TSM-103-04-L-SV]  12.71 106.15 270 bottom
J7  -  [TSM-103-04-L-SV]  12.79 97.76 90 bottom
J8  -  [TSM-103-04-F-DV]  45.27 165.61 0 top
J9  -  [M20-8770342]  119.1 33.5 270 top
J10  -  [M20-8770342]  129.49 50.42 90 top
J11  -  [TSM-103-04-F-DV]  122.43 44.08 270 top
J12  M50-3600542  [PIN_HEADER_2X5]  32.46 165.58 0 top
J13  -  [TSM-104-04-T-DV]  15.62 103.12 0 top
J14  -  [TSM-102-04-T-SV]  19.67 102.92 90 bottom
J15  Screw_Terminal_1x02  [CONN_1757242]  18.2 83.26 90 bottom
J16  Screw_Terminal_1x08  [CONN_1757307]  18.2 55.3 90 bottom
J17  SMA_H_v3  [SMA_v2]  130.32 92.8 0 top
J18  SMA_H_v3  [SMA_v2]  130.31 108.58 0 top
J19  -  [TSM-103-04-L-SV]  76.62 21.49 180 top
J20  -  [TSM-102-04-T-SV]  89.05 86.04 90 top
J21  -  [UMC_SMD]  100.93 138.28 180 top
J22  -  [TSM-103-04-L-SV]  29.82 150.94 0 top
J23  -  [RAPC712X]  130.64 33.53 90 top
J24  -  [TSM-102-04-T-SV]  82.7 46.84 90 top
J25  -  [TSM-102-04-T-SV]  89.4 56.44 90 top
J26  -  [TSM-102-04-T-SV]  74.6 112.89 270 top
J27  -  [TSM-102-04-T-SV]  86.2 76.49 90 top
J28  -  [UMC_SMD]  99.95 131.89 0 top
J29  -  [TSM-102-04-T-SV]  43.4 20.35 90 top
J30  -  [PIN_HEADER_2X2_SSM-102-L-DV-K-TR]  75.95 12.61 90 top
J31  -  [TSM-102-04-T-SV]  70.61 17.08 0 top
J32  -  [PIN_HEADER_2X2_SSM-102-L-DV-K-TR]  41.58 12.61 90 top
J33  -  [M20-8770342]  121.27 75.03 180 top
J34  Jumper_SNM-100-BK-T  [SNM-100-BK-T]  13.12 104.83 90 bottom
J35  Jumper_SNM-100-BK-T  [SNM-100-BK-T]  12.89 99.09 270 bottom
J36  -  [TSM-102-04-T-SV]  29.71 15.09 270 top
J37  Jumper_SNM-100-BK-T  [SNM-100-BK-T]  125.01 44.15 0 top
J38  Jumper_SNM-100-BK-T  [SNM-100-BK-T]  28.57 150.68 180 top
J39  Jumper_SNM-100-BK-T  [SNM-100-BK-T]  84.19 46.88 90 top
J40  Jumper_SNM-100-BK-T  [SNM-100-BK-T]  90.38 86.02 90 top
J41  Jumper_SNM-100-BK-T  [SNM-100-BK-T]  75.87 112.92 90 top
J42  Jumper_SNM-100-BK-T  [SNM-100-BK-T]  44.82 20.4 90 top
J43  Jumper_SNM-100-BK-T  [SNM-100-BK-T]  75.36 22 0 top
J44  Jumper_SNM-100-BK-T  [SNM-100-BK-T]  31.12 15.1 90 top
J46  Jumper_SNM-100-BK-T  [SNM-100-BK-T]  70.59 18.44 0 top
J47  Jumper_SNM-100-BK-T  [SNM-100-BK-T]  90.78 56.46 90 top
J48  Jumper_SNM-100-BK-T  [SNM-100-BK-T]  87.54 76.48 90 top
L1  -  [SPM6530T-2R2M]  128.67 44.98 270 bottom
L2  -  [SPM6530T-2R2M]  118.2 34.62 90 bottom
L3  10nH_0402_LQW15AN10NG0ZD  [SMD0402]  113.16 139.87 180 top
L4  18nH_0603_LQW18AN18NG00D  [SMD0603]  92.69 148.65 270 bottom
L5  82nH_0805_LQW2BAS82NJ00L  [SMD0805]  46.38 137.09 270 top
L6  10u_0805  [SMD0805]  84.97 156.55 270 bottom
L7  10u_0805  [SMD0805]  84.97 153.4 270 bottom
L8  180nH_0805  [SMD0805]  73.76 161.25 180 bottom
L9  12nH_0805  [SMD0805]  70.6 160.45 180 bottom
L10  47nH_0805  [SMD0805]  76.38 161.86 270 bottom
L11  100nH_0805  [SMD0805]  78.9 163.8 0 bottom
L12  56nH_0805  [SMD0805]  76.43 167.14 270 bottom
L13  100nH_0805  [SMD0805]  73.8 165.09 270 bottom
L14  47nH_0805  [SMD0805]  73.86 168.91 0 bottom
L15  180nH_0805  [SMD0805]  71.22 167.4 270 bottom
L16  12nH_0805  [SMD0805]  71.2 164.22 270 bottom
L17  6.8nH_0603_Murata_LQW  [SMD0603_gap05]  64.46 72.19 180 top
L18  1.8uH_1008  [SMD1008_inductor]  65.64 168.36 180 bottom
L19  2.2uH_1008  [SMD1008_inductor]  61.66 168.36 180 bottom
L20  210nH_0603_0603CS-R21XGLU  [SMD0603]  38.72 168.94 0 bottom
L21  1.8uH_1008  [SMD1008_inductor]  65.63 164.93 180 bottom
L22  2.2uH_1008  [SMD1008_inductor]  61.7 164.93 180 bottom
L23  200nH_0603_0603HP-R20XGLU  [SMD0603]  36.09 169.51 180 bottom
L24  1.8uH_1008  [SMD1008_inductor]  65.65 161.49 180 bottom
L25  1.2uH_1008  [SMD1008_inductor]  61.68 161.48 180 bottom
L26  51nH_0603_0603HP-51NXJLU  [SMD0603]  36.82 167.64 270 bottom
L27  390nH_0603_0603HP-R39XGLU  [SMD0603]  33.36 167.09 45 bottom
L28  120nH_0603_0603HP-R12XJLW  [SMD0603]  29.88 167.18 180 bottom
L29  18nH_0603_0603HP-18NXGLU  [SMD0603]  29.88 166.05 180 bottom
L30  250nH_0603_0603HP-R25XGLU  [SMD0603]  30.17 163.9 45 bottom
L31  27nH_0603_0603HP-27NXJLW  [SMD0603]  92.26 60.37 180 top
L32  330nH_0805  [SMD0805]  46.38 152.74 0 bottom
L33  39nH_0805  [SMD0805]  45 154.53 180 bottom
L34  12nH_0805  [SMD0805]  41.77 154.51 180 bottom
L35  27nH_0805  [SMD0805]  48.38 154.55 0 bottom
L36  330nH_0805  [SMD0805]  41.74 152.68 0 bottom
L37  4.7nH_0805_0805HT-4N7TJLC  [SMD0805]  45.59 158.86 0 bottom
L38  15nH_0805_0805HT-15NTJLB  [SMD0805]  42.39 158.84 0 bottom
L39  47nH_0805_0805HT-47NTJLB  [SMD0805]  39.13 158.89 0 bottom
L40  9.1nH_0805_0805HT-9N1TJLB  [SMD0805]  39.14 160.76 0 bottom
L41  1.8nH_0805_0805HT-1N8TJLC  [SMD0805]  34.97 159.55 270 bottom
